# Altium PCB GamePi_PCB.PcbDoc
Units mm, origin at the board's own origin, x right, y up, seen from the top; angles counter-clockwise.
Board outline 152.5 x 99 mm, 2 copper layers (Top Layer, Bottom Layer); 92 components, 70 nets, 292 pads, 16 vias.
Unrouted connection lines stored in the file: 1.
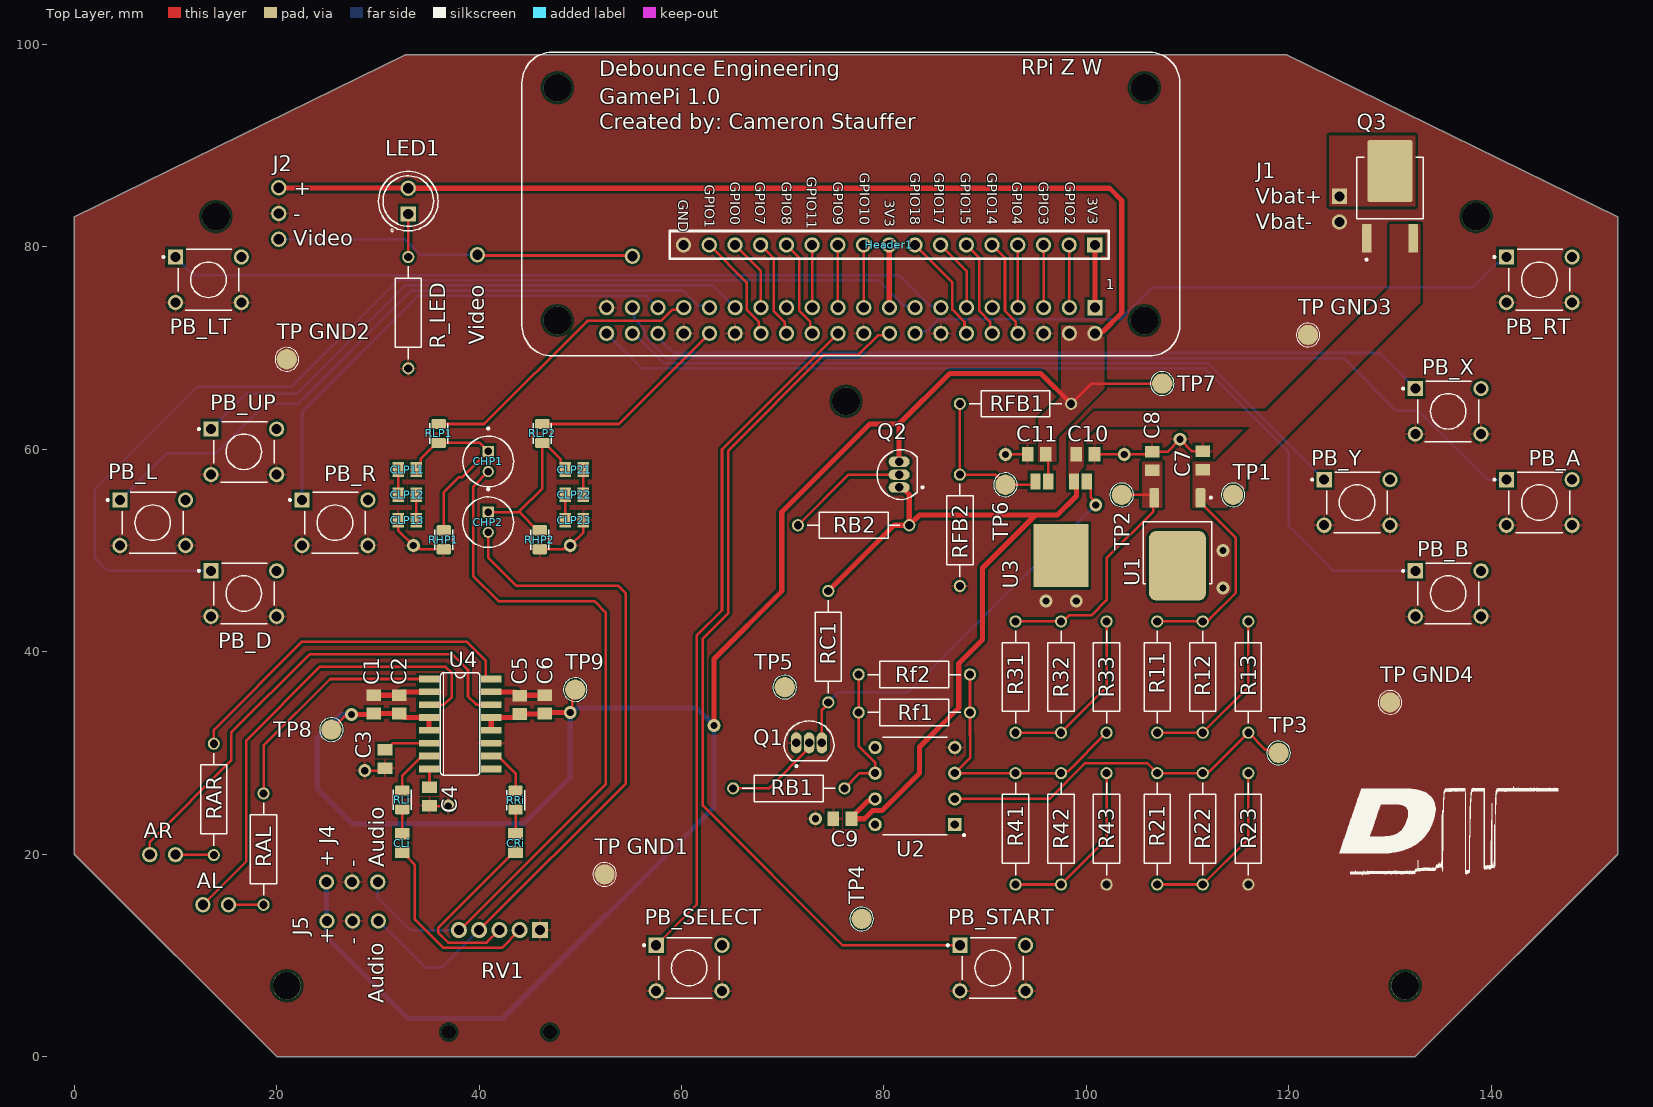
[diagram p0: Top Layer view]
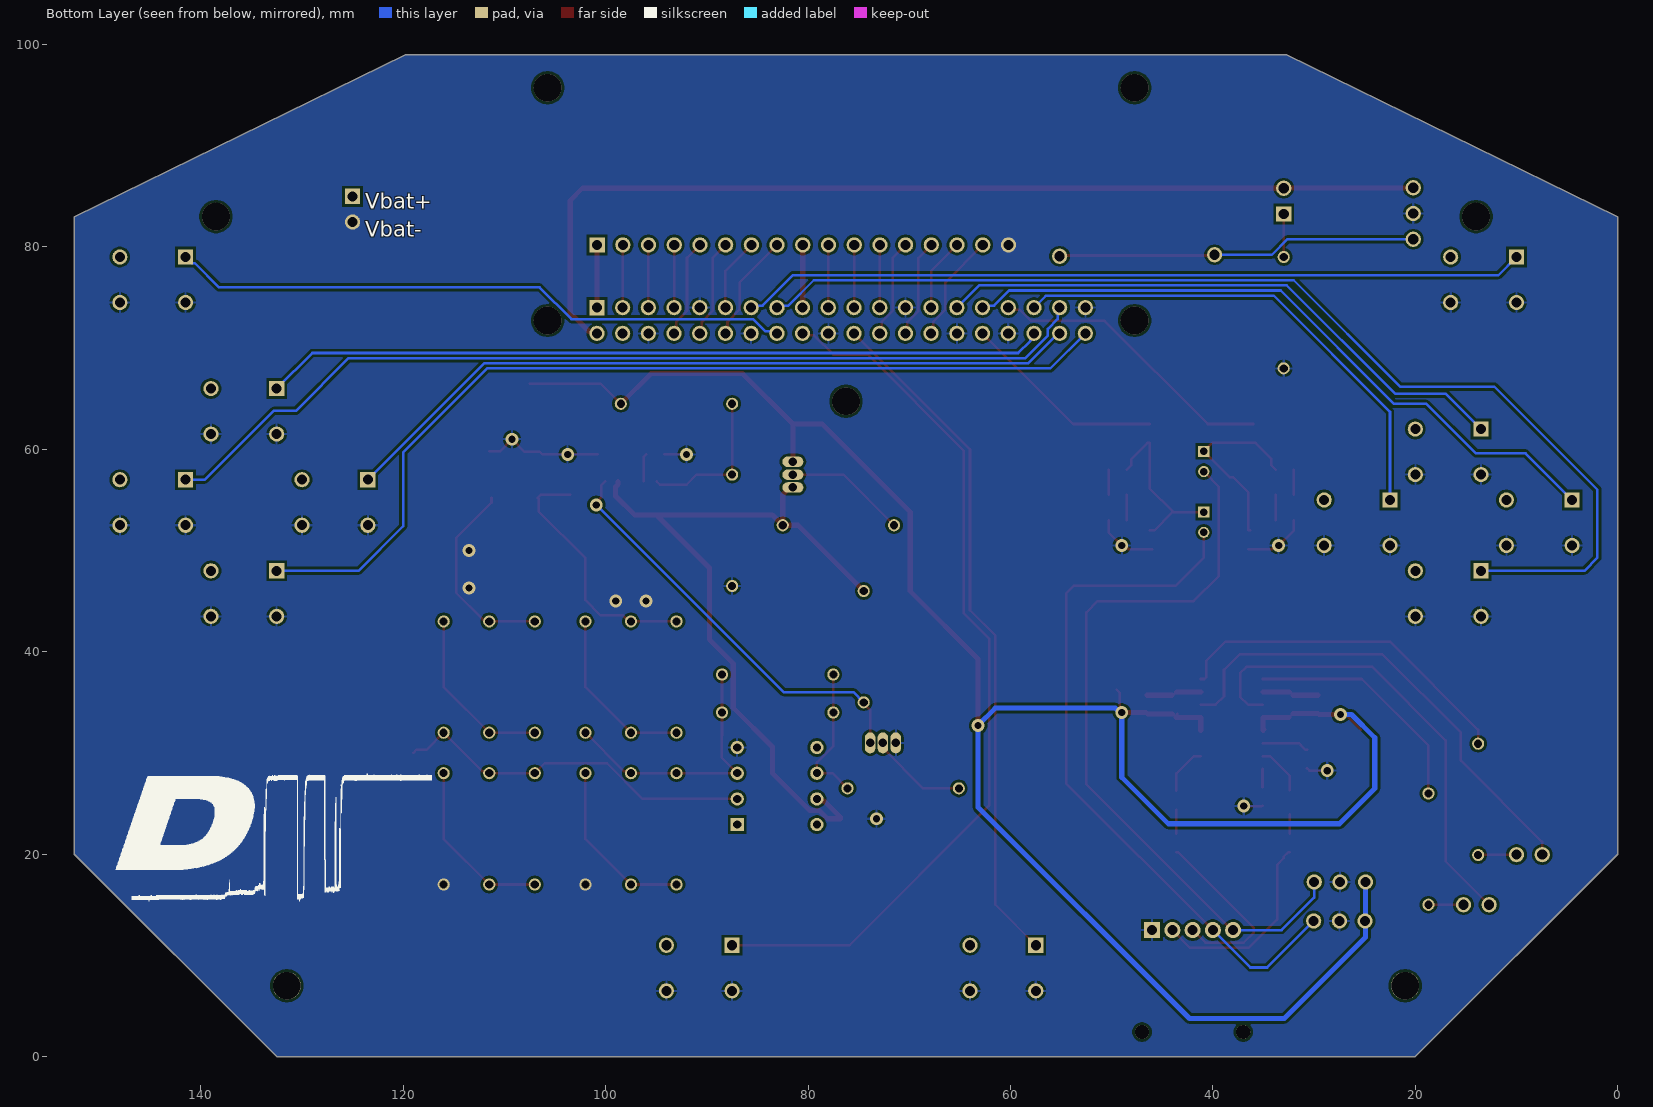
[diagram p1: Bottom Layer view, seen from below]
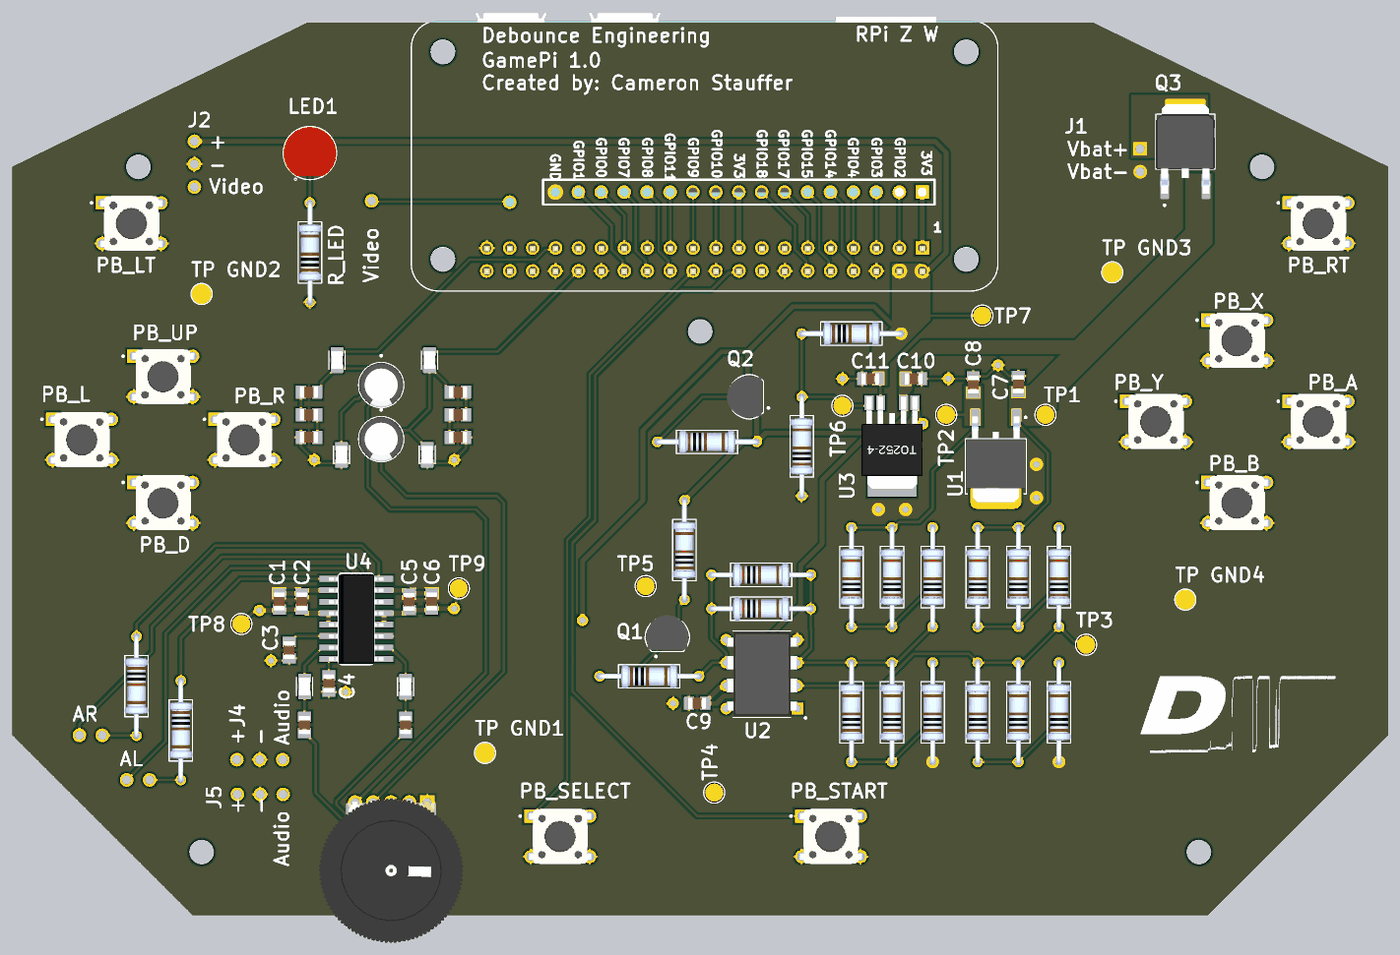
[diagram p2: 3D render of the assembled board from above, using the file's embedded part models]

## Layer stack, top to bottom
Top Solder: solder mask 0.0102, Solder Resist, Dk 3.5
Top Layer: signal copper 0.0356
Dielectric 1: dielectric 0.32, FR-4, Dk 4.8
Bottom Layer: signal copper 0.0356
Bottom Solder: solder mask 0.0102, Solder Resist, Dk 3.5

## Board outline
119.773,99 152.5,83 152.5,20 132.5,0 20,0 0.201,19.799 0,20 0,83 32.721,99

## Design rules (kind name [scope] priority, off if disabled: settings)
Clearance [All] p1: gap=0.254 ignorepadtopadclearanceinfootprint=TRUE except(0: Arc-Hole Track-Hole SMDPad-Hole THPad-Hole Via-Hole Fill-Hole Poly-Hole Region-Hole Text-Hole)
HoleSize [All] p1: absolutevalues=TRUE maxlimit=2.76 minlimit=0.025 maxpercent=80.000 minpercent=20.000
MinimumSolderMaskSliver [All] p1: minsoldermaskwidth=0.026
PolygonConnect [All] p1: connectstyle=Relief reliefconductorwidth=0.254 reliefentries=4 polygonreliefangle="90 Angle" airgapwidth=0.254
RoutingVias [All] p1: holewidth=0.711 width=1.27 viastyle="Through Hole" minholewidth=0.711 minwidth=1.27 maxholewidth=0.711 maxwidth=1.27
SilkToSilkClearance [All] p1: silktosilkclearance=0.111
SilkToSolderMaskClearance [IsPad] p1: minsilkscreentomaskgap=0 clearancetoexposedcopper=TRUE
SolderMaskExpansion [All] p1: expansion=0.102 istentingtop=FALSE
Width [All] p1: maxlimit=1.16 minlimit=0.254 preferedwidth=0.254
26 further rules are at their usual default settings.

## Classes and differential pairs
component class "Over Discharge Protection_SCHEMATIC": C7 C8 C9 C10 C11 Q1 Q2 R11 R12 R13 R21 R22 R23 R31 R32 R33 R41 R42 R43 RB1 RB2 RC1 Rf1 Rf2 RFB1 RFB2 TP1 TP2 TP3 TP4 TP5 TP6 TP7 U1 U2 U3
component class Audio_SCHEMATIC: AL AR C1 C2 C3 C4 C5 C6 CHP1 CHP2 CLi CLP11 CLP12 CLP13 CLP21 CLP22 CLP23 CRi J4 J5 RAL RAR RHP1 RHP2 RLi RLP1 RLP2 RRi RV1 TP8 TP9 U4
component class GamePi_SCHEMATIC: Header1 J1 J2 LED1 Q3 R_LED "RPi Z W" "TP GND1" "TP GND2" "TP GND3" "TP GND4" Video
component class "Direction Pad": PB_D PB_L PB_R PB_UP
component class Buttons: PB_A PB_B PB_LT PB_RT PB_SELECT PB_START PB_X PB_Y

## Components (designator, comment, footprint, x,y, rotation, side; value= is the part's Value field where it differs from the comment)
AL "Speaker" Speaker 15.24,15 r180 top
AR "Speaker" Speaker 10,19.95 r180 top
C1 "0805" "Capacitor 0805" 28.575,36.575 r270 top
C2 "0805" "Capacitor 0805" 31.075,36.575 r270 top
C3 "0805" "Capacitor 0805" 31.725,27.625 r90 top
C4 "0805" "Capacitor 0805" 36.125,23.925 r90 top
C5 "0805" "Capacitor 0805" 42.975,36.525 r270 top
C6 "0805" "Capacitor 0805" 45.475,36.575 r270 top
C7 "0805" "Capacitor 0805" 110.475,60.675 r270 top
C8 "0805" "Capacitor 0805" 105.475,60.625 r270 top
C9 "0805" "Capacitor 0805" 74.125,22.475 r0 top
C10 "0805" "Capacitor 0805" 101.675,60.525 r180 top
C11 "0805" "Capacitor 0805" 93.325,58.475 r0 top
CHP1 "Capacitor Electrolytic" "Capacitor Electrolytic" 40.9,59.8 r270 top
CHP2 "Capacitor Electrolytic" "Capacitor Electrolytic" 40.9,53.8 r270 top
CLi "0805" "Capacitor 0805" 33.425,19.325 r90 top
CLP11 "0805" "Capacitor 0805" 31.125,56.975 r0 top
CLP12 "0805" "Capacitor 0805" 31.125,54.475 r0 top
CLP13 "0805" "Capacitor 0805" 31.125,51.975 r0 top
CLP21 "0805" "Capacitor 0805" 51.175,59.025 r180 top
CLP22 "0805" "Capacitor 0805" 51.175,56.525 r180 top
CLP23 "0805" "Capacitor 0805" 51.175,54.025 r180 top
CRi "0805" "Capacitor 0805" 42.575,22.875 r270 top
Header1 "Breakout Header" "Breakout Header" 100.84,80.2 r180 top
J1 "J?" "PS HEADER" 125,85 r270 top
J2 "Header" "Video Header" 20.2,85.84 r270 top
J4 "Audio Header" "Audio Header" 24.9,17.225 r0 top
J5 "Audio Header" "Audio Header" 24.95,13.375 r0 top
LED1 "LED Radial Green" "LED Radial Green" 33,84.5 r90 top
PB_A "PushButton" "Push Button" 141.5,52.475 r0 top
PB_B "PushButton" "Push Button" 132.5,43.475 r0 top
PB_D "PushButton" "Push Button" 13.5,43.475 r0 top
PB_L "PushButton" "Push Button" 4.5,50.475 r0 top
PB_LT "PushButton" "Push Button" 10,74.475 r0 top
PB_R "PushButton" "Push Button" 22.5,50.475 r0 top
PB_RT "PushButton" "Push Button" 141.5,74.475 r0 top
PB_SELECT "PushButton" "Push Button" 57.5,6.475 r0 top
PB_START "PushButton" "Push Button" 87.5,6.475 r0 top
PB_UP "PushButton" "Push Button" 13.5,57.475 r0 top
PB_X "PushButton" "Push Button" 132.5,61.475 r0 top
PB_Y "PushButton" "Push Button" 123.5,52.475 r0 top
Q1 "2N3904" 2N3904 70.33,29.5 r0 top
Q2 "2N3906" 2N3904 83,55.23 r90 top
Q3 "NP15P04SLG" NP15P04SLG 130,84.99 r90 top
R11 "Resistor Axial" "Resistor Axial" 107.865,31.071 r90 top
R12 "Resistor Axial" "Resistor Axial" 112.365,31.071 r90 top
R13 "Resistor Axial" "Resistor Axial" 116.865,31.071 r90 top
R21 "Resistor Axial" "Resistor Axial" 107.865,16.071 r90 top
R22 "Resistor Axial" "Resistor Axial" 112.365,16.071 r90 top
R23 "Resistor Axial" "Resistor Axial" 116.865,16.071 r90 top
R31 "Resistor Axial" "Resistor Axial" 93.865,31.071 r90 top
R32 "Resistor Axial" "Resistor Axial" 98.365,31.071 r90 top
R33 "Resistor Axial" "Resistor Axial" 102.865,31.071 r90 top
R41 "Resistor Axial" "Resistor Axial" 93.865,16.071 r90 top
R42 "Resistor Axial" "Resistor Axial" 98.365,16.071 r90 top
R43 "Resistor Axial" "Resistor Axial" 102.865,16.071 r90 top
R_LED "Resistor Axial" "Resistor Axial" 33.865,67.071 r90 top
RAL "Resistor Axial" "Resistor Axial" 17.835,26.929 r270 top
RAR "Resistor Axial" "Resistor Axial" 12.923,31.842 r270 top
RB1 "Resistor Axial" "Resistor Axial" 64.171,25.635 r0 top
RB2 "Resistor Axial" "Resistor Axial" 70.571,51.635 r0 top
RC1 "Resistor Axial" "Resistor Axial" 75.365,34.071 r90 top
Rf1 "Resistor Axial" "Resistor Axial" 76.571,33.135 r0 top
Rf2 "Resistor Axial" "Resistor Axial" 76.571,36.885 r0 top
RFB1 "Resistor Axial" "Resistor Axial" 86.571,63.635 r0 top
RFB2 "Resistor Axial" "Resistor Axial" 88.365,45.571 r90 top
RHP1 "0805" "Resistor 0805" 37.475,49.365 r90 top
RHP2 "0805" "Resistor 0805" 46.975,49.365 r90 top
RLi "0805" "Resistor 0805" 33.375,23.665 r90 top
RLP1 "0805" "Resistor 0805" 35.025,63.265 r270 top
RLP2 "0805" "Resistor 0805" 45.275,63.265 r270 top
"RPi Z W" "ADA3708" ADA3708_RPI-ZERO 76.73,72.73 r180 top
RRi "0805" "Resistor 0805" 42.625,27.035 r270 top
RV1 "B103 Potentiometer Wheel" "B103 Pot Wheel" 46,12.5 r180 top
TP1 "Test Point" "Test Point" 114.5,55.5 r0 top
TP2 "Test Point" "Test Point" 103.5,55.5 r0 top
TP3 "Test Point" "Test Point" 119,30 r0 top
TP4 "Test Point" "Test Point" 77.8,13.6 r0 top
TP5 "Test Point" "Test Point" 70.2,36.5 r0 top
TP6 "Test Point" "Test Point" 92,56.5 r0 top
TP7 "Test Point" "Test Point" 107.5,66.5 r0 top
TP8 "Test Point" "Test Point" 25.4,32.3 r0 top
TP9 "Test Point" "Test Point" 49.5,36.25 r0 top
"TP GND1" "Test Point" "Test Point" 52.4,18 r90 top
"TP GND2" "Test Point" "Test Point" 21,68.9 r90 top
"TP GND3" "Test Point" "Test Point" 121.9,71.3 r90 top
"TP GND4" "Test Point" "Test Point" 130,35 r90 top
U1 "BD33C0AFP" BD33C0AFP 111.3,55.2 r180 top
U2 "MCP6231-E/P" MCP6231-E/P 87,30.54 r180 top
U3 "BD00FC0WFP-E2" BD00FC0WFP-E2 101.5,58.008 r180 top
U4 "PAM8403" PAM8403 36.098,27.72 r0 top
Video "Video Breakout Pad" "Video Breakout Pad" 39.825,79.225 r90 top

## Footprints (in the part's own frame and the unit in brackets; to place one, negate y for a bottom-side part, rotate by r counter-clockwise, add the part's x,y. Pads: shape width x height; smd on the part's side, far side on the other; paste and mask are expansions set on the pad)
2N3904 [mm]
  oval 1.04x2.08 hole 0.84: 1(1,1.5) 2(2.27,1.5) 3(3.54,1.5)
  silkscreen extent -0.21,-0.9 4.75,3.66, body extent -0.01,-0.05 4.55,3.78, height 5.2
ADA3708_RPI-ZERO [mm]
  rect 1.508x1.508 hole 1: 1(-24.13,-1.27)
  round 1.508 hole 1: 2(-24.13,1.27) 3(-21.59,-1.27) 4(-21.59,1.27) 5(-19.05,-1.27) 6(-19.05,1.27) 7(-16.51,-1.27) 8(-16.51,1.27) 9(-13.97,-1.27) 10(-13.97,1.27) 11(-11.43,-1.27) 12(-11.43,1.27) 13(-8.89,-1.27) 14(-8.89,1.27) 15(-6.35,-1.27) 16(-6.35,1.27) 17(-3.81,-1.27) 18(-3.81,1.27) 19(-1.27,-1.27) 20(-1.27,1.27) 21(1.27,-1.27) 22(1.27,1.27) 23(3.81,-1.27) 24(3.81,1.27) 25(6.35,-1.27) 26(6.35,1.27) 27(8.89,-1.27) 28(8.89,1.27) 29(11.43,-1.27) 30(11.43,1.27) 31(13.97,-1.27) 32(13.97,1.27) 33(16.51,-1.27) 34(16.51,1.27) 35(19.05,-1.27) 36(19.05,1.27) 37(21.59,-1.27) 38(21.59,1.27) 39(24.13,-1.27) 40(24.13,1.27) 41(21.59,-6.35)
  round 2.75 hole 2.75 unplated: ""(-29,-23) ""(-29,0) ""(29,-23) ""(29,0)
  silkscreen extent -32.5,-26.5 32.5,3.5, body extent -32.5,-27.43 33.5,3.57
"Audio Header" [mm]
  round 1.508 hole 1: 1(0.01,0.025) 2(2.55,0.025) 3(5.09,0.025)
"B103 Pot Wheel" [mm]
  rect 1.6x1.6 hole 1: 1(0,0)
  round 1.6 hole 1: 2(2,0) 3(4,0) 4(6,0) 5(8,0)
  round 1.4 hole 1.4 unplated: 6(-1,10.075) 7(9,10.075)
  body extent -4,-0.45 12,15.55, height 3.5
BD00FC0WFP-E2 [mm]
  rect 1x1.6 smd: EN(1.46,1.178) FB(6.54,1.178) Vcc(2.73,1.178) Vo(5.27,1.178)
  rect 5.4x6.2 smd: GND(4,8.508)
  body extent 0.6,0.5 7.4,10.7, height 2.4
BD33C0AFP [mm]
  rrect24% 0.96x1.9 smd: 1(0.02,-0.01) 3(4.58,-0.01)
  rrect24% 5.63x6.84 smd paste-4: 2(2.3,6.7)
  silkscreen extent -1.1,-0.12 5.67,8.48, body extent -0.95,-0.12 5.55,9.38, height 2.5
"Breakout Header" [mm]
  rect 1.508x1.508 hole 1: 1(0,0)
  round 1.508 hole 1: 2(2.54,0) 3(5.08,0) 4(7.62,0) 5(10.16,0) 6(12.7,0) 7(15.24,0) 8(17.78,0) 9(20.32,0) 10(22.86,0) 11(25.4,0) 12(27.94,0) 13(30.48,0) 14(33.02,0) 15(35.56,0) 16(38.1,0) 17(40.64,0)
  silkscreen extent -1.38,-1.38 42,1.38
"Capacitor 0805" [mm]
  rect 1.15x1.45 smd: 1(0.875,1.025) 2(2.675,1.025)
  body extent 0.77,0.4 2.78,1.65, height 0.94
"Capacitor Electrolytic" [mm]
  round 1.1 hole 0.75: N(2,0)
  rect 1.1x1.1 hole 0.75: P(0,0)
  silkscreen extent -2.35,-2.5 3.5,2.5, body extent -1.5,-2.5 3.5,2.5, height 11
"LED Radial Green" [mm]
  round 1.508 hole 1: A(1.3,0)
  rect 1.508x1.508 hole 1: C(-1.24,0)
  silkscreen extent -3,-2.95 2.98,2.95, body extent -2.5,-2.95 2.93,2.95, height 9.6
MCP6231-E/P [mm]
  rect 1.308x1.308 hole 0.8: 1(0,7.62)
  round 1.308 hole 0.8: 2(0,5.08) 3(0,2.54) 4(0,0) 5(7.87,0) 6(7.87,2.54) 7(7.87,5.08) 8(7.87,7.62)
  silkscreen extent -1.01,-0.99 7.12,8.76, body extent -0.04,-0.84 7.84,8.44, height 5.52
NP15P04SLG [mm]
  rrect25% 2.83x0.97 smd mask+0: 1(-4.14,2.29) 3(-4.14,-2.29)
  rrect10% 6.1x4.49 smd paste-4 mask+0: 4(2.51,0)
  silkscreen extent -6.35,-3.27 3.87,3.27, body extent -4.95,-3.27 4.95,3.27, height 2.39
PAM8403 [mil]
  rect 80x26 smd: 1(-41.12,377.56) 2(-41.12,327.56) 3(-41.12,277.56) 4(-41.12,227.56) 5(-41.12,177.56) 6(-41.12,127.56) 7(-41.12,77.56) 8(-41.12,27.56) 9(200.88,27.56) 10(200.88,77.56) 11(200.88,127.56) 12(200.88,177.56) 13(200.88,227.56) 14(200.88,277.56) 15(200.88,327.56) 16(200.88,377.56)
  silkscreen extent 3,3 157,403, body extent -38,7 200,397, height 64
"PS HEADER" [mm]
  rect 1.508x1.508 hole 1 mask+0: 1(0,0)
  round 1.508 hole 1 mask+0: 2(2.54,0)
"Push Button" [mm]
  rect 1.498x1.498 / inner round 1.498 / far side rect 1.498x1.498 hole 0.99: 1(0,4.525)
  round 1.498 hole 0.99: 2(6.5,4.525) 3(0,0.025) 4(6.5,0.025)
  silkscreen extent -1.29,-0.72 6.25,5.27, body extent -0.67,-0.74 7.12,5.25, height 4.41
"Resistor 0805" [mm]
  rrect25% 1x1.42 smd: 1(0.765,0.975) 2(2.635,0.975)
  silkscreen extent 0.7,0.08 2.7,1.86, body extent 0.7,0.35 2.7,1.6, height 0.6
"Resistor Axial" [mm]
  round 1.2 hole 0.8: 1(0.929,0.865) 2(11.929,0.865)
  silkscreen extent 1.85,-0.44 11.01,2.16, body extent 0.65,-0.44 12.2,2.16, height 2.6
Speaker [mm]
  round 1.508 hole 1: 1(0,0) 2(2.54,0)
"Test Point" [mm]
  round 2 smd paste-1: 3(0,0)
  silkscreen extent -1.17,-1.17 1.17,1.17, body extent -1,-1 1,1, height 0.03
"Video Breakout Pad" [mm]
  round 1.5 hole 1: 1(0,0)
"Video Header" [mm]
  round 1.508 hole 1: 1(0,0) 2(2.54,0) 3(5.08,0)

## Part data
C1 C2 C3 C4 C5 C6 C7 C8 C9 C10 C11 CLi CLP11 CLP12 CLP13 CLP21 CLP22 CLP23 CRi: library part "Capacitor 0805"
J1: library part "PS Header"
J2: library part "Video Header"
RHP1 RHP2 RLi RLP1 RLP2 RRi: library part "Resistor 0805"
"RPi Z W": "Raspberry Pi Zero WH (Zero W with Headers)", Package=None, Availability=Unavailable, MP=ADA3708, Price=None

## Free pads (board coordinates)
  round 2.75 hole 2.75 unplated: 1(14,83) 1(21,7) 1(76.25,64.75) 1(131.5,7)
  round 2.75 hole 2.75 unplated mask+0.102: 1(138.5,83)

## Via types
v1: diameter 1.27, hole 0.711, Top Layer to Bottom Layer, 16 vias

## Nets (pads, with @x,y where several pads share a name; then routed paths per layer and width w, separated by ;. In a path a pad name is that pad's centre, name@x,y a point inside that pad or via, vN(x,y) a via of type N, cw(c..) or ccw(c..) an arc to the next point about the centre after c; other vN are vias at no path point)
3V3: "RPi Z W.1" "RPi Z W.17" Header1.1 Header1.9 | length 12.4
  Top Layer w0.254: Header1.9 Header1.9@80.53,80.19 ; 80.53,74.01 80.54,74 ; Header1.1 Header1.1@100.86,80.18
  Top Layer w0.508: 80.53,74.01 Header1.9@80.53,80.19 ; 100.86,74 Header1.1@100.86,80.18
!POWER: RB1.2 Rf1.1 Rf2.1 U2.6 | length 14.1
  Top Layer w0.254: RB1.2 77.6,28 U2.6 79.13,29.076 77.5,30.706 Rf1.1 Rf2.1
"Audio L": "RPi Z W.33" RLP1.1 | length 29
  Top Layer w0.254: RLP1.1 40.5,62.5 50.7,72.7 57.985,72.7 59.085,73.8 60.02,73.8 60.22,74
"Audio R": "RPi Z W.32" RLP2.1 | length 20.2
  Top Layer w0.254: RLP2.1 53.8,62.5 62.76,71.46
BUT_A: "RPi Z W.37" PB_A.1 | length 94.3
  Bottom Layer w0.254: 55.14,74 55.34,73.8 55.34,72.865 56.295,71.91 56.295,71.24 58.527,69.008 125.392,69.008 130.6,63.8 132.8,63.8 139.6,57 PB_A.1
BUT_B: "RPi Z W.40" PB_B.1 | length 93.9
  Bottom Layer w0.254: 52.6,71.46 56.068,67.992 111.708,67.992 120,59.7 120,52.4 124.4,48 PB_B.1
BUT_LT: "RPi Z W.13" PB_LT.1 | length 78
  Top Layer w0.254: 85.42,74.2 85.62,74
  Bottom Layer w0.254: PB_LT.1 11.8,77.2 13.3,77.2 13.316,77.216 81.469,77.216 84.485,74.2 85.42,74.2 85.62,74
BUT_RT: "RPi Z W.16" PB_RT.1 | length 61.5
  Bottom Layer w0.254: 83.08,71.46 83.28,71.66 84.215,71.66 85.42,72.865 103.382,72.865 106.517,76 138.2,76 140.586,78.386 140.886,78.386 PB_RT.1
BUT_SLCT: "RPi Z W.22" PB_SELECT.1 | length 67.9
  Top Layer w0.254: PB_SELECT.1 61.5,15 61.5,41.6 64,44.1 64,60 75.46,71.46
  Bottom Layer w0.254: 75.46,71.46 75.481,71.439
BUT_START: "RPi Z W.18" PB_START.1 | length 88.7
  Top Layer w0.254: 80.54,71.46 80.34,71.26 79.405,71.26 77.494,69.349 74.099,69.349 64.6,59.85 64.6,43.8 62.1,41.3 62.1,24.8 75.9,11 PB_START.1
  Bottom Layer w0.254: PB_START.1 PB_START.1@88.035,11.535
BUT_X: "RPi Z W.36" PB_X.1 | length 77.3
  Bottom Layer w0.254: 57.68,71.46 57.68,71.121 58.042,70.759 58.042,70.724 59.25,69.516 128.984,69.516 PB_X.1
BUT_Y: "RPi Z W.38" PB_Y.1 | length 74.3
  Bottom Layer w0.254: 55.14,71.46 55.29,71.46 58.25,68.5 112,68.5 PB_Y.1
DP_D: "RPi Z W.15" PB_D.1 | length 109.5
  Bottom Layer w0.254: PB_D.1 3.3,48 2.005,49.295 2.005,56.005 12.2,66.2 21.5,66.2 32.008,76.708 79.437,76.708 81.945,74.2 82.88,74.2 83.08,74
DP_L: "RPi Z W.31" PB_L.1 | length 67.5
  Bottom Layer w0.254: PB_L.1 9.1,59.6 14,59.6 18.9,64.5 22.1,64.5 33.292,75.692 60.133,75.692 61.625,74.2 62.56,74.2 62.76,74
DP_R: "RPi Z W.35" PB_R.1 | length 49.1
  Bottom Layer w0.254: PB_R.1 22.5,63.7 33.984,75.184 56.496,75.184 56.554,75.126 57.68,74
DP_UP: "RPi Z W.29" PB_UP.1 | length 58.6
  Bottom Layer w0.254: PB_UP.1 17,65.5 22,65.5 32.7,76.2 63.1,76.2 65.3,74
FB: RFB1.1 RFB2.2 TP6.3 U3.FB | length 15
  Top Layer w0.254: RFB1.1 RFB2.2 91,57.5 TP6.3 94.63,56.5 U3.FB
"Filtered L": CHP1.N J4.3 RV1.5 | length 73.9
  Top Layer w0.254: RV1.5 38.1,12.5 52.5,26.9 52.5,43.9 51.4,45 41.9,45 39.4,47.5 39.4,56.3 CHP1.N
  Bottom Layer w0.254: J4.3 29.99,15.71 33.2,12.5 RV1.5
"Filtered R": CHP2.N J5.3 RV1.4 | length 70.2
  Top Layer w0.254: RV1.4 54.5,27 54.5,45.75 53.75,46.5 43.7,46.5 40.9,49.3 CHP2.N
  Bottom Layer w0.254: J5.3 34.64,8.8 36.3,8.8 RV1.4
GND: "RPi Z W.6" "RPi Z W.9" "RPi Z W.14" "RPi Z W.20" "RPi Z W.25" "RPi Z W.30" "RPi Z W.34" "RPi Z W.39" "TP GND1.3" "TP GND2.3" "TP GND3.3" "TP GND4.3" C1.1 C2.1 C3.1 C4.1 C5.1 C6.1 C7.1 C8.1 C9.1 C10.1 C11.1 CLP13.1 CLP23.1 Header1.17 J1.2 J2.2 J4.2 J5.2 PB_A.3 PB_A.4 PB_B.3 PB_B.4 PB_D.3 PB_D.4 PB_L.3 PB_L.4 PB_LT.3 PB_LT.4 PB_R.3 PB_R.4 PB_RT.3 PB_RT.4 PB_SELECT.3 PB_SELECT.4 PB_START.3 PB_START.4 PB_UP.3 PB_UP.4 PB_X.3 PB_X.4 PB_Y.3 PB_Y.4 Q1.1 Q3.1 R23.1 R43.1 R_LED.1 RFB2.1 RHP1.1 RHP2.1 RV1.1 U2.4 U4.2 U4.11 U4.15 | length 41.6
  Top Layer w0.254: v1(28.7,28.25) 30.45,28.25 C3.1 ; CLP13.1 32,52 v1(33.5,50.5) 33.775,50.5 34.145,50.13 RHP1.1 ; C2.1 C2.1@32.44,36.04 ; C4.1 35.15,24.75 v1(36.95,24.75) ; U4.15 U4.15@41.22,36.02 ; C5.1@43.61,36.04 C5.1 C5.1@44.05,35.7 ; RHP2.1 48.355,50.13 48.725,50.5 v1(49,50.5) 50.3,51.8 CLP23.1 ; v1(92,59.5) C11.1 ; C10.1 v1(103.75,59.5) 106.25,59.5 C8.1 108,59.75 v1(109.25,61) 110.45,59.8 C7.1
  Top Layer w0.508: C1.1 C2.1 ; C2.1@32.44,36.04 U4.2 ; U4.15 C5.1@43.61,36.04 ; C5.1@44.05,35.7 C6.1
  other v1: 73.25,23.5 96,45 99,45 113.5,46.3 113.5,50
GPIO0: "RPi Z W.27" Header1.15 | length 7.3
  Top Layer w0.254: Header1.15 67.84,77.64 67.84,74
GPIO1: "RPi Z W.28" Header1.16 | length 10.9
  Top Layer w0.254: Header1.16 66.435,76.505 66.435,73.8 67.64,72.595 67.64,71.66 67.84,71.46
GPIO2: "RPi Z W.3" Header1.2 | length 6.2
  Top Layer w0.254: Header1.2 98.31,80.19 98.31,74.01 98.32,74
GPIO3: "RPi Z W.5" Header1.3 | length 6.2
  Top Layer w0.254: Header1.3 95.77,80.19 95.77,74.01 95.78,74
GPIO4: "RPi Z W.7" Header1.4 | length 6.2
  Top Layer w0.254: Header1.4 93.23,80.19 93.23,74.01 93.24,74
GPIO7: "RPi Z W.26" Header1.14 | length 9.8
  Top Layer w0.254: Header1.14 69.1,78.92 69.1,73.675 70.18,72.595 70.18,71.66 70.38,71.46
GPIO8: "RPi Z W.24" Header1.13 | length 9.8
  Top Layer w0.254: Header1.13 71.64,78.92 71.64,73.675 72.72,72.595 72.72,71.66 72.92,71.46
GPIO9: "RPi Z W.21" Header1.11 | length 6.2
  Top Layer w0.254: Header1.11 75.45,80.19 75.45,74.01 75.46,74
GPIO10: "RPi Z W.19" Header1.10 | length 6.2
  Top Layer w0.254: Header1.10 77.99,80.19 77.99,74.01 78,74
GPIO11: "RPi Z W.23" Header1.12 | length 6.2
  Top Layer w0.254: Header1.12 72.91,80.19 72.91,74.01 72.92,74
GPIO14: "RPi Z W.8" Header1.5 | length 9.8
  Top Layer w0.254: Header1.5 91.96,78.92 91.96,73.675 93.04,72.595 93.04,71.66 93.24,71.46
GPIO15: "RPi Z W.10" Header1.6 | length 9.8
  Top Layer w0.254: Header1.6 89.42,78.92 89.42,73.675 90.5,72.595 90.5,71.66 90.7,71.46
GPIO17: "RPi Z W.11" Header1.7 | length 7.3
  Top Layer w0.254: Header1.7 88.16,77.64 88.16,74
GPIO18: "RPi Z W.12" Header1.8 | length 10.9
  Top Layer w0.254: Header1.8 86.755,76.505 86.755,73.8 87.96,72.595 87.96,71.66 88.16,71.46
IN_L: CLi.1 RV1.2 | length 19.5
  Top Layer w0.254: CLi.1 32.55,20.2 32.998,19.752 32.998,19.602 33.656,18.944 33.656,13.544 36.458,10.742 42.242,10.742 RV1.2
IN_R: CRi.2 RV1.3 | length 18.2
  Top Layer w0.254: RV1.3 40.75,11.25 36.95,11.25 35.95,12.25 35.95,12.7 43.45,20.2 CRi.2
NetAL_1: AL.1 RAL.2 | length 3.5
  Top Layer w0.254: AL.1 RAL.2
NetAR_1: AR.1 RAR.2 | length 3.8
  Top Layer w0.254: AR.1 10.025,19.925 13.775,19.925 RAR.2@13.8,19.9
NetC3_2: C3.2 U4.6 | length 4.7
  Top Layer w0.254: C3.2 30.85,30.3 31.298,30.748 31.298,30.811 31.447,30.96 U4.6
NetC4_2: C4.2 U4.8 | length 1.8
  Top Layer w0.254: U4.8 35.1,28.373 C4.2
NetCHP1_P: CHP1.P CLP11.2 RHP1.2 RLP1.2 | length 18.9
  Top Layer w0.254: CLP11.2 34.248,58.448 34.248,59.088 35.79,60.63 RLP1.2 40.07,60.63 CHP1.P 38.35,57.25 38,57.25 36.5,55.75 RHP1.2 RHP1.2@36.29,52
NetCHP2_P: CHP2.P CLP21.2 RHP2.2 RLP2.2 | length 17.5
  Top Layer w0.254: CHP2.P 43.99,53.8 45.79,52 RHP2.2 RHP2.2@46.21,52 ; 43.9,53.8 46.25,56.15 RLP2.2 46.46,60.63 48.052,59.038 48.052,58.448 CLP21.2
NetCLi_2: CLi.2 RLi.1 | length 1.9
  Top Layer w0.254: CLi.2 32.4,23.93
NetCLP11_1: CLP11.1 CLP12.1 | length 2.5
  Top Layer w0.254: CLP12.1 CLP11.1
NetCLP12_2: CLP12.2 CLP13.2 | length 2.5
  Top Layer w0.254: CLP13.2 CLP12.2
NetCLP21_1: CLP21.1 CLP22.1 | length 2.5
  Top Layer w0.254: CLP22.1 CLP21.1
NetCLP22_2: CLP22.2 CLP23.2 | length 2.5
  Top Layer w0.254: CLP23.2 CLP22.2
NetCRi_1: CRi.1 RRi.2 | length 2.4
  Top Layer w0.254: CRi.1 RRi.2
NetLED1_C: LED1.C R_LED.2 | length 4.3
  Top Layer w0.254: R_LED.2 LED1.C
NetQ1_2: Q1.2 RB1.1 | length 9.7
  Top Layer w0.254: RB1.1 68.624,26.5 72.6,30.476 Q1.2
NetQ2_2: Q2.2 RB2.1 | length 12.1
  Top Layer w0.254: RB2.1 76.5,57.5 Q2.2
NetR11_1: R11.1 R12.1 R13.2 | length 17.4
  Top Layer w0.254: R11.1 R12.1 116,36.5 R13.2
NetR21_1: R21.1 R22.1 R23.2 | length 17.4
  Top Layer w0.254: R21.1 R22.1 116,21.5 R23.2
NetR31_1: R31.1 R32.1 R33.2 | length 17.4
  Top Layer w0.254: R31.1 R32.1 102,36.5 R33.2
NetR41_1: R41.1 R42.1 R43.2 | length 17.4
  Top Layer w0.254: R41.1 R42.1 102,21.5 R43.2
NetRLi_2: RLi.2 U4.7 | length 4.9
  Top Layer w0.254: RLi.2 32.4,27.723 34.367,29.69 U4.7
NetRRi_1: RRi.1 U4.10 | length 4.8
  Top Layer w0.254: U4.10 41.886,29.69 43.6,27.976 RRi.1
OUT_L+: RAL.1 U4.1 | length 23.8
  Top Layer w0.254: RAL.1 18.7,30.718 25.292,37.31 U4.1
OUT_L-: AL.2 U4.3 | length 46.5
  Top Layer w0.254: AL.2 17,19.3 17,31.25 24.25,38.5 36.7,38.5 37.3,37.9 37.3,35.55 36.52,34.77 U4.3
OUT_R+: RAR.1 U4.16 | length 34.9
  Top Layer w0.254: RAR.1 13.788,32.288 22.5,41 38.75,41 40.638,39.112 40.638,37.513 40.841,37.31 U4.16
OUT_R-: AR.2 U4.14 | length 47.9
  Top Layer w0.254: AR.2 7.46,21.21 15.5,29.25 15.5,32 23.25,39.75 37.351,39.75 38.9,38.201 38.9,35.6 39.73,34.77 U4.14
POWER: Q1.3 RC1.1 U3.EN | length 41.4
  Top Layer w0.254: Q1.3 73.87,34.243 74.5,34.873 RC1.1 ; U3.EN 100.413,56.457 100.413,55.296 100.922,54.787 v1(100.922,54.512)
  Bottom Layer w0.254: RC1.1 75.5,36 82.41,36 v1(100.922,54.512)
Vbat: J1.1 Q3.4
Vbat+: C7.2 C9.2 C10.2 Q2.1 Q3.3 R11.2 R12.2 RB2.2 RC1.2 U1.1 U2.7 U3.Vcc | length 96.3
  Top Layer w0.254: C9.2 C9.2@76.8,23.65 ; U2.7@78.928,25.258 U2.7 ; U2.7@78.945,25.56 78.945,25.645 U2.7@79.03,25.645 ; Q2.1 Q2.1@81.807,56.23 ; R11.2 R12.2 111.681,43.181 112.118,43.181 114.766,45.829 114.766,51.254 111.28,54.74 U1.1
  Top Layer w0.508: RC1.2 81,52.5 RB2.2 ; C9.2 78.067,23.5 78.865,24.298 79.805,24.298 83.511,28.004 83.511,30.578 87.392,34.459 87.392,38.838 89.75,41.196 89.75,48.268 94.982,53.5 ; C9.2@76.8,23.65 78.408,25.258 U2.7@78.928,25.258 ; Q2.1@81.807,56.23 82.5,55.537 RB2.2 ; U3.Vcc 98.77,56.53 99.032,56.268 99.032,55.399 97.133,53.5 94.982,53.5 ; RB2.2 83.5,53.5 94.982,53.5
VCC: 
Video: "RPi Z W.41" J2.3 Video.1 | length 35.6
  Top Layer w0.254: Video.1 39.898,79.152 55.067,79.152 55.14,79.08
  Bottom Layer w0.254: J2.3 32.627,80.76 34.162,79.225 Video.1
Vrail: R33.1 R41.2 R42.2 Rf1.2 Rf2.2 U2.3 | length 27.1
  Top Layer w0.254: Rf2.2 88.5,31.753 88.543,31.71 88.543,29.543 U2.3 R41.2 R42.2 97.681,28.181 98.181,28.181 R33.1
Vreg: "RPi Z W.2" "RPi Z W.4" C1.2 C2.2 C5.2 C6.2 C11.2 J2.1 J4.1 J5.1 LED1.A Q2.3 RFB1.2 TP7.3 TP8.3 TP9.3 U3.Vo U4.4 U4.5 U4.12 U4.13 | length 320.8
  Top Layer w0.254: J2.1 J2.1@20.22,85.82 ; TP8.3 26.706,33.606 27.206,33.606 v1(27.4,33.8) ; C1.2@29.5,33.8 C1.2 ; C2.2 C2.2@32.5,33.5 ; LED1.A@32.98,85.82 LED1.A ; C5.2@43.5,33.85 C5.2@43.55,33.8 ; C5.2@43.65,33.5 C5.2 ; C6.2@46.45,33.85 C6.2 C6.2@46.6,34 ; v1(49,34) 49.194,34.194 49.194,35.944 TP9.3 ; C11.2 96.23,59.27 U3.Vo ; RFB1.2 100.5,66.5 TP7.3
  Top Layer w0.508: J2.1@20.22,85.82 LED1.A@32.98,85.82 ; v1(27.4,33.8) C1.2@29.5,33.8 ; C1.2 C2.2 ; C2.2@32.5,33.5 U4.4 U4.5 U4.5@34.977,32.306 ; LED1.A 102.3,85.8 103.5,84.6 103.5,73.5 101.651,71.651 101.051,71.651 100.86,71.46 ; U4.12 U4.13 C5.2@43.65,33.5 ; C5.2 C6.2@46.45,33.85 ; C6.2@46.6,34 v1(49,34) ; v1(63.2,32.7) 63.2,39.287 69.9,45.987 69.9,53.8 78.6,62.5 81.5,62.5 ; Q2.3 81.5,62.5 ; RFB1.2 95.5,67.5 86.5,67.5 81.5,62.5
  Bottom Layer w0.254: J5.1@24.91,13.35 J5.1 J5.1@24.935,13.425 ; J4.1 J4.1@24.935,17.225
  Bottom Layer w0.508: J5.1@24.91,13.35 24.91,11.79 32.95,3.75 42.323,3.75 63.2,24.627 63.2,32.727 61.5,34.427 49.633,34.427 49.206,34 v1(49,34) 49,27.6 44.4,23 27.5,23 24,26.5 24,31.5 26.3,33.8 v1(27.4,33.8) ; J5.1@24.935,13.425 J4.1@24.935,17.225
VReg_3V3: C8.2 R31.2 R32.2 TP2.3 U1.3 | length 25.3
  Top Layer w0.254: R31.2 R32.2 ; R32.2@97.687,43 98.287,43.6 100.5,43.6 102,45.1 102,49.25 106.628,53.878 106.628,55.118 U1.3 106.43,55.5 TP2.3
  Top Layer w0.508: R32.2 R32.2@97.687,43
Vthresh: R13.1 R21.2 R22.2 TP3.3 U2.2 | length 36.4
  Top Layer w0.254: U2.2 96.347,25.46 99.868,28.981 106.019,28.981 R21.2 R22.2 111.681,28.181 112.181,28.181 R13.1 117.666,30.334 118.666,30.334 TP3.3
pads on no net: "RPi Z W." PB_A.2 PB_B.2 PB_D.2 PB_L.2 PB_LT.2 PB_R.2 PB_RT.2 PB_SELECT.2 PB_START.2 PB_UP.2 PB_X.2 PB_Y.2 RV1.6 RV1.7 TP1.3 TP4.3 TP5.3 U1.2 U2.1 U2.5 U2.8 U3.GND U4.9

## Polygon pours and split planes (outlines as drawn)
GND on Top Layer "NONET_L-01_P-001" (solid, pour order 15): 0,83 32.721,99 119.773,99 152.5,83 152.5,20 132.5,0 20,0 0,20
Vbat+ on Top Layer "NONET_L-01_P-001" (solid, pour order 14): 110.5,58.75 110.5,54.25 115.75,54.25 115.75,57.25 133,74.5 133,82.25 130,82.25 130,76 114.5,60.5 112.75,58.75
Vbat on Top Layer "NONET_L-01_P-001" (solid, pour order 0): 124,84 132.5,84 132.5,91 124,91
GND on Top Layer "NONET_L-01_P-001" (solid, pour order 3): 124,83.25 128.25,83.25 128.25,79.25 124,79.25
Vbat+ on Top Layer "NONET_L-01_P-001" (solid, pour order 7): 98.25,56 98.25,60.25 99.617,60.25 99.624,60.243 99.617,60.236 99.617,58.117 99.25,57.75 99.25,56
Vreg on Top Layer "NONET_L-01_P-001" (solid, pour order 10): 97.5,72.25 101.75,72.25 101.75,66 97,61.25 97,58.75 95.25,58.75 95.25,63 97.5,65.25
Vbat+ on Top Layer "NONET_L-01_P-001" (solid, pour order 11): 98.25,61.25 100.75,63.75 121,63.75 119.5,62.25 101,62.25 99.75,61 99.75,58.25 98.25,58.25
VReg_3V3 on Top Layer "NONET_L-01_P-001" (solid, pour order 12): 105.5,58.75 107.5,58.75 107.5,54.25 105.5,54.25
GND on Bottom Layer "NONET_L-01_P-001" (solid, pour order 13): 0,20 0,83 32.721,99 119.773,99 152.5,83 152.5,20 132.5,0 20,0

## Silkscreen, mask and mechanical layers (free items; w line width, h text height)
Top Overlay:
  drawing of 2 lines, arcs and shapes, not listed
  text "Debounce Engineering" at 51.854,96.862 h1.52
  text "GamePi 1.0" at 51.854,94.104 h1.52
  text "Created by: Cameron Stauffer" at 51.854,91.612 h1.52
Bottom Overlay:
  drawing of 2 lines, arcs and shapes, not listed
  text "Vbat+" at 123.746,83.754 h1.52
  text "Vbat-" at 123.746,81.004 h1.52
Mechanical 1:
  lines w0.254: 0,20 20,0 132.5,0 152.5,20 152.5,83 119.75,99 32.75,99 0,83 0,20

## Text inside footprints (layer, text, board x,y; h text height)
Header1: Top Overlay "3V3" at 100.14,84.9 h1 r270; Top Overlay "GPIO2" at 97.894,86.446 h1 r270; Top Overlay "GPIO3" at 95.294,86.446 h1 r270; Top Overlay "GPIO4" at 92.694,86.446 h1 r270; Top Overlay "GPIO14" at 90.194,87.346 h1 r270; Top Overlay "GPIO15" at 87.594,87.346 h1 r270; Top Overlay "GPIO17" at 84.994,87.346 h1 r270; Top Overlay "GPIO18" at 82.594,87.346 h1 r270; Top Overlay "3V3" at 80.094,84.646 h1 r270; Top Overlay "GPIO10" at 77.594,87.346 h1 r270; Top Overlay "GPIO9" at 74.994,86.446 h1 r270; Top Overlay "GPIO11" at 72.394,86.946 h1 r270; Top Overlay "GPIO8" at 69.894,86.446 h1 r270; Top Overlay "GPIO7" at 67.294,86.446 h1 r270; Top Overlay "GPIO0" at 64.794,86.446 h1 r270; Top Overlay "GPIO1" at 62.294,86.146 h1 r270; Top Overlay "GND" at 59.694,84.646 h1 r270
J1: Top Overlay "Vbat+" at 116.754,84.254 h1.52; Top Overlay "Vbat-" at 116.754,81.754 h1.52
J2: Top Overlay "Video" at 21.654,80.104 h1.52; Top Overlay "-" at 21.654,82.542 h1.52; Top Overlay "+" at 21.679,85.1 h1.52
J4: Top Overlay "+" at 25.65,18.729 h1.52 r90; Top Overlay "-" at 28.208,18.704 h1.52 r90; Top Overlay "Audio" at 30.646,18.704 h1.52 r90
J5: Top Overlay "+" at 25.65,11.054 h1.52 r90; Top Overlay "-" at 28.258,11.054 h1.52 r90; Top Overlay "Audio" at 30.596,5.254 h1.52 r90
"RPi Z W": Top Overlay "1" at 101.9,75.8 h1.02